# Altium PCB MM32_Class_board_V2.0.PcbDoc
Units mm, origin at the board's own origin, x right, y up, seen from the top; angles counter-clockwise.
Board outline 96.77 x 60.45 mm, 2 copper layers (Top Layer, Bottom Layer); 70 components, 62 nets, 279 pads, 171 vias.
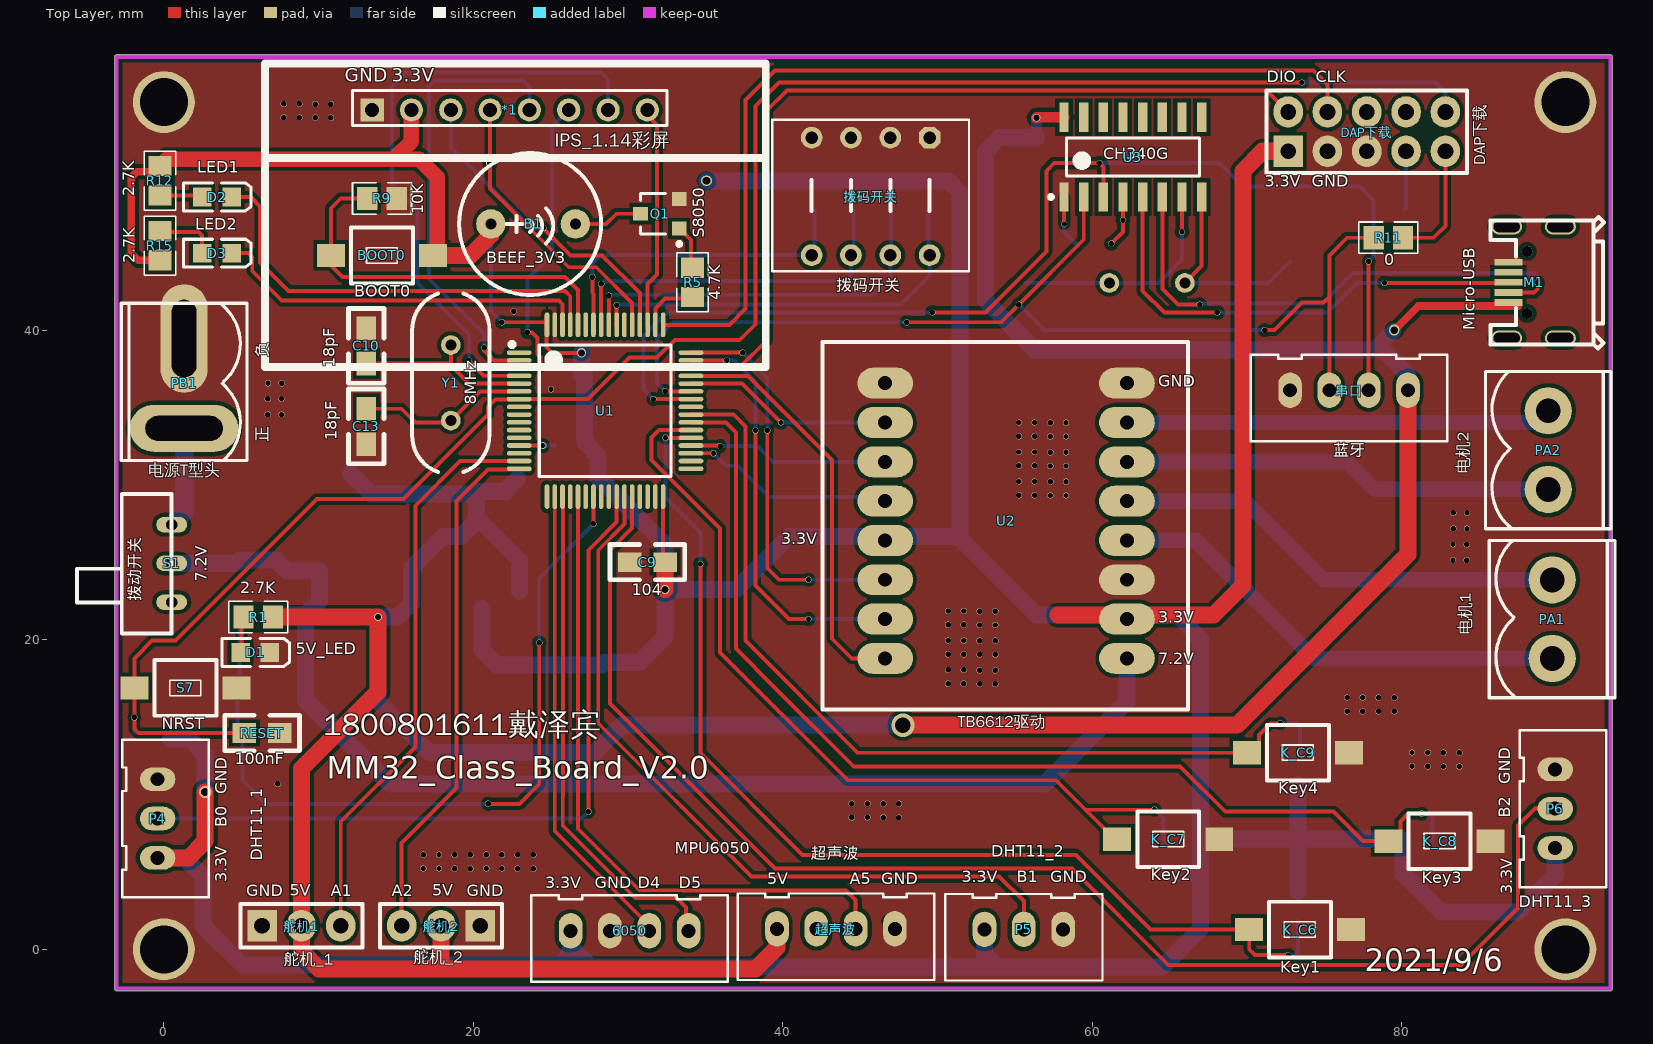
[diagram p0: Top Layer view]
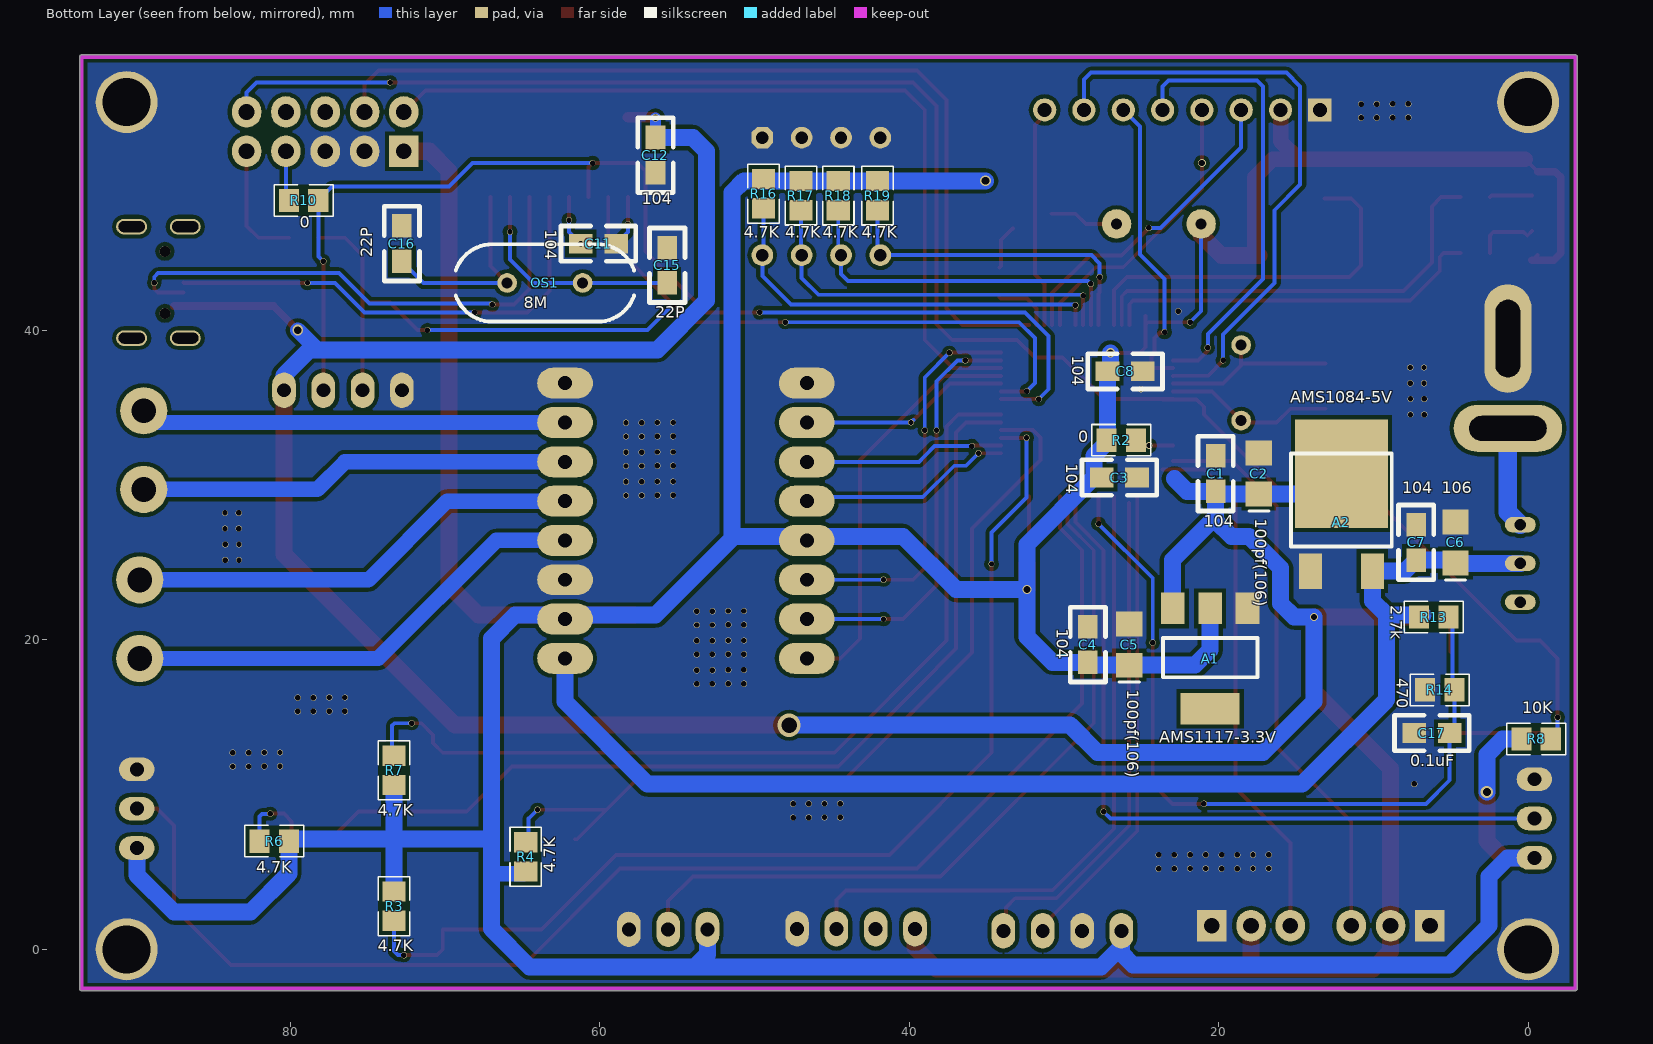
[diagram p1: Bottom Layer view, seen from below]

## Layer stack, top to bottom
Top Solder: solder mask 0.0102, Solder Resist, Dk 3.5
Top Layer: signal copper 0.0356
Dielectric1: dielectric 0.32, FR-4, Dk 4.8
Bottom Layer: signal copper 0.0356
Bottom Solder: solder mask 0.0102, Solder Resist, Dk 3.5

## Board outline
-3.175,-2.54 ccw(c-3.048,-2.54) -3.048,-2.667 93.472,-2.667 ccw(c93.472,-2.54) 93.599,-2.54 93.599,57.658 ccw(c93.472,57.658) 93.472,57.785 -3.048,57.785 ccw(c-3.048,57.658) -3.175,57.658

## Design rules (kind name [scope] priority, off if disabled: settings)
Clearance [All] p1: gap=0.254 ignorepadtopadclearanceinfootprint=FALSE except(0: Arc-Hole Track-Hole SMDPad-Hole THPad-Hole Via-Hole Fill-Hole Poly-Hole Region-Hole Text-Hole)
FabricationTestpoint [(IsPad And (OnTopLayer Or OnBottomLayer))] p1: side=3 testpointundercomponent=TRUE minsize=1.016 maxsize=2.54 preferedsize=1.524 minholesize=0 maxholesize=1.016 preferedholesize=0.813 testpointgrid=0.025 allowsidetop=TRUE allowsidebottom=TRUE usegrid=TRUE gridtolerance=0
PlaneClearance [All] p1: clearance=0.25
PolygonConnect [All] p1: connectstyle=Direct reliefconductorwidth=0.254 reliefentries=4 polygonreliefangle="90 Angle" airgapwidth=0.254
RoutingVias [All] p1: holewidth=0.4 width=0.45 viastyle="Through Hole" minholewidth=0.35 minwidth=0.4 maxholewidth=0.45 maxwidth=0.6
SolderMaskExpansion [All] p1: expansion=0.102
Width [All] p1: maxlimit=0.254 minlimit=0.254 preferedwidth=0.254 minimp=50.000000 maximp=50.000000 favimp=50.000000
28 further rules are at their usual default settings.

## Components (designator, comment, footprint, x,y, rotation, side; value= is the part's Value field where it differs from the comment)
6050 "MPU6050" 四脚插座 29.972,-0.508 r0 top
*1 "IPS_1.14彩屏" 1.14_IPS 22.042,44.929 r0 top locked
A1 "AMS1117-3.3V" AMS1117 20.574,18.923 r180 bottom
A2 "AMS1084-5V" AMS1086 12.065,26.035 r180 bottom
B1 "BEEF_3V3" BEEF_3V3 28.829,61.849 r0 top
BOOT0 "BOOT0" 贴片按键 14.097,44.831 r0 top
C1 "104" 电容0805 20.193,31.877 r270 bottom
C2 "100pf(106)" 钽电容1206 17.399,30.734 r90 bottom value=100PF(106)
C3 "104" 电容0805 25.273,30.48 r0 bottom
C4 "104" 电容0805 28.448,20.828 r270 bottom
C5 "100pf(106)" 钽电容1206 25.781,19.685 r90 bottom value=c
C6 "106" 钽电容1206 4.699,26.289 r90 bottom
C7 "104" 电容0805 7.239,27.432 r270 bottom
C8 "104" 电容0805 24.892,37.338 r0 bottom
C9 "104" 电容0805 30.099,25.019 r0 top
C10 "18pF" 电容0805 13.081,37.846 r90 top
C11 "104" 电容0805 58.928,45.593 r0 bottom
C12 "104" 电容0805 56.388,50.165 r90 bottom
C13 "18pF" 电容0805 13.081,32.639 r90 top
C15 "22P" 电容0805 55.626,45.339 r270 bottom
C16 "22P" 电容0805 72.771,46.736 r270 bottom
C17 "0.1uF" 电容0805 5.08,13.97 r0 bottom
D1 "5V_LED" LED贴片 5.908,19.177 r0 top
D2 "LED1" LED贴片 3.429,48.606 r0 top
D3 "LED2" LED贴片 3.429,44.977 r0 top
DAP下载 "DAP下载" P5X2 76.073,51.689 r90 top
K_C6 "Key1" 贴片按键 73.406,1.27 r0 top
K_C7 "Key2" 贴片按键 64.897,7.112 r0 top
K_C8 "Key3" 贴片按键 82.423,6.985 r0 top
K_C9 "Key4" 贴片按键 73.279,12.7 r0 top
M1 "Micro-USB" Micro-USB 85.598,38.989 r0 top
OS1 "8M" 晶振 61.087,43.053 r0 bottom
P4 "DHT11_1" 三脚插座 1.524,8.509 r90 top
P5 "DHT11_2" 三脚插座 55.626,-0.635 r0 top
P6 "DHT11_3" 三脚插座 91.821,9.144 r90 top
PA1 "电机1" 电源插座1 89.789,21.336 r180 top
PA2 "电机2" 电源插座1 89.535,32.258 r180 top
PB1 "电源T型头" 电源插座2 3.81,36.576 r90 top
Q1 "S8050" NPN8050 32.258,47.498 r270 top
R1 "2.7K" 电阻0805 6.096,21.463 r180 top
R2 "0" 电阻0805 26.289,32.893 r180 bottom
R3 "4.7K" 电阻0805 73.279,2.794 r270 bottom
R4 "4.7K" 电阻0805 64.77,5.969 r90 bottom
R5 "4.7K" 电阻0805 34.163,43.089 r90 top
R6 "4.7K" 电阻0805 81.026,6.985 r0 bottom
R7 "4.7K" 电阻0805 73.279,11.557 r90 bottom
R8 "10K" 电阻0805 -0.508,13.589 r0 bottom
R9 "10K" 电阻0805 14.097,48.514 r180 top
R10 "0" 电阻0805 79.121,48.387 r0 bottom
R11 "0" 电阻0805 79.121,45.974 r180 top
R12 "2.7K" 电阻0805 -0.254,49.652 r270 top
R13 "2.7k" 电阻0805 6.096,21.463 r180 bottom value=1K
R14 "470" 电阻0805 5.715,16.764 r0 bottom value=2K
R15 "2.7K" 电阻0805 -0.254,45.466 r90 top
R16 "4.7K" 电阻0805 49.403,48.829 r270 bottom
R17 "4.7K" 电阻0805 46.99,48.702 r270 bottom
R18 "4.7K" 电阻0805 44.577,48.702 r270 bottom
R19 "4.7K" 电阻0805 42.037,48.702 r270 bottom
RESET "100nF" 电容0805 7.493,13.97 r180 top
S1 "拨动开关" 拨动开关直插 0.508,27.432 r180 top
S7 "NRST" 贴片按键 1.397,16.891 r180 top
U1 "MM32SPIN27PS芯片" LQFP-64_L10.0-W10.0-P0.50-LS12.0-BL 28.448,34.798 r270 top
U2 "TB6612驱动" 6612pcb 62.23,18.796 r180 top locked
U3 "CH340G" CH340G 62.611,51.181 r90 top
Y1 "8MHz" 晶振 18.542,34.163 r90 top
串口 "蓝牙" 四脚插座 76.454,34.417 r0 top
拨码开关 "拨码开关" 拨码开关 45.72,48.702 r180 top
舵机1 "舵机_1" P3 9.525,2.286 r90 top
舵机2 "舵机_2" P3 17.272,0.762 r270 top
超声波 "超声波" 四脚插座 43.307,-0.381 r0 top

## Footprints (in the part's own frame and the unit in brackets; to place one, negate y for a bottom-side part, rotate by r counter-clockwise, add the part's x,y. Pads: shape width x height; smd on the part's side, far side on the other; paste and mask are expansions set on the pad)
1.14_IPS [mm]
  rect 1.5x1.5 hole 0.9: 1(-8.58,9.3)
  round 1.5 hole 0.9: 2(-6.04,9.3) 3(-3.5,9.3) 4(-0.96,9.3) 5(1.58,9.3) 6(4.12,9.3) 7(6.66,9.3) 8(9.2,9.3)
  silkscreen extent -15.52,-7.3 16.85,12.3
6612pcb [mm]
  oval 3.6x2 hole 0.9: 1(0,0) 2(0,-2.54) 3(0,-5.08) 4(0,-7.62) 5(0,-10.16) 6(0,-12.7) 7(0,-15.24) 8(0,-17.78) 9(15.621,0) 10(15.621,-2.54) 11(15.621,-5.08) 12(15.621,-7.62) 13(15.621,-10.16) 14(15.621,-12.7) 15(15.621,-15.24) 16(15.621,-17.78)
  silkscreen extent -3.94,-20.45 19.69,3.3
AMS1086 [mm]
  rect 1.5x2.3 smd: 1(-2,-1.6) 3(2,-1.6)
  rect 6x7 smd: 2(0,4.7)
  silkscreen extent -3.25,0 3.25,6
AMS1117 [mil]
  rect 60x80 smd: 1(96,122) 2(1,122) 3(-94,122)
  rect 150x80 smd: 4(1,-133)
  silkscreen extent -119,-53 121,47
BEEF_3V3 [mil]
  round 75 hole 28: 1(-303.03,-590) 2(-88.03,-590)
  silkscreen extent -384,-770 -22,-410
CH340G [mm] "SOIC, 16-Leads, Body 8.6x4.0mm (max), Pitch 1.27mm, IPC Medium Density"
  rect 1.9x0.6 smd: 1(-2.575,4.445) 2(-2.575,3.175) 3(-2.575,1.905) 4(-2.575,0.635) 5(-2.575,-0.635) 6(-2.575,-1.905) 7(-2.575,-3.175) 8(-2.575,-4.445) 9(2.575,-4.445) 10(2.575,-3.175) 11(2.575,-1.905) 12(2.575,-0.635) 13(2.575,0.635) 14(2.575,1.905) 15(2.575,3.175) 16(2.575,4.445)
  silkscreen extent -2.7,-4.3 1.22,5.42, body extent -1.98,-4.28 1.97,4.28, height 1.7
LED贴片 [mm] "SMT LED; 2 Flat Leads"
  rect 1.2x1.2 smd: 1(-0.95,0) 2(0.95,0)
  silkscreen extent -2.15,-0.9 2.2,0.9
LQFP-64_L10.0-W10.0-P0.50-LS12.0-BL [mm]
  oval 0.3x1.6 smd: 1(-3.75,-5.49) 2(-3.25,-5.49) 3(-2.75,-5.49) 4(-2.25,-5.49) 5(-1.75,-5.49) 6(-1.25,-5.49) 7(-0.75,-5.49) 8(-0.25,-5.49) 9(0.25,-5.49) 10(0.75,-5.49) 11(1.25,-5.49) 12(1.75,-5.49) 13(2.25,-5.49) 14(2.75,-5.49) 15(3.25,-5.49) 16(3.75,-5.49) 33(3.75,5.61) 34(3.25,5.61) 35(2.75,5.61) 36(2.25,5.61) 37(1.75,5.61) 38(1.25,5.61) 39(0.75,5.61) 40(0.25,5.61) 41(-0.25,5.61) 42(-0.75,5.61) 43(-1.25,5.61) 44(-1.75,5.61) 45(-2.25,5.61) 46(-2.75,5.61) 47(-3.25,5.61) 48(-3.75,5.61)
  oval 1.6x0.3 smd: 17(5.55,-3.69) 18(5.55,-3.19) 19(5.55,-2.69) 20(5.55,-2.19) 21(5.55,-1.69) 22(5.55,-1.19) 23(5.55,-0.69) 24(5.55,-0.19) 25(5.55,0.31) 26(5.55,0.81) 27(5.55,1.31) 28(5.55,1.81) 29(5.55,2.31) 30(5.55,2.81) 31(5.55,3.31) 32(5.55,3.81) 49(-5.55,3.81) 50(-5.55,3.31) 51(-5.55,2.81) 52(-5.55,2.31) 53(-5.55,1.81) 54(-5.55,1.31) 55(-5.55,0.81) 56(-5.55,0.31) 57(-5.55,-0.19) 58(-5.55,-0.69) 59(-5.55,-1.19) 60(-5.55,-1.69) 61(-5.55,-2.19) 62(-5.55,-2.69) 63(-5.55,-3.19) 64(-5.55,-3.69)
  silkscreen extent -4.43,-6.1 4.25,4.31
Micro-USB [mm]
  rect 1.8x0.43 smd: 1(1.274,2.8) 2(1.274,3.45) 3(1.274,4.1) 4(1.274,4.75) 5(1.274,5.4)
  oval 1.999x1 hole 0.7 slot 1.7 at 0 deg: 6(1.165,7.699) 7(4.635,7.7) 8(1.165,0.501) 9(4.635,0.5)
  round 0.7 hole 0.7 unplated: ""(2.485,2.1) ""(2.485,6.1)
  silkscreen extent 0.13,-0.18 7.45,8.32
NPN8050 [mm]
  rect 0.9x0.95 smd: 1(-0.978,1.038) 2(0.922,1.038) 3(-0.028,-1.462)
  silkscreen extent -1.33,-1.46 2.05,1.16
P3 [mil]
  rect 80x75 hole 40: 1(-30,125)
  oval 80x75 hole 40: 2(-30,25) 3(-30,-75)
  silkscreen extent -85,-130 25,180
P5X2 [mil]
  rect 80x75 hole 40: 1(-5,135)
  oval 80x75 hole 40: 2(95,135) 3(-5,35) 4(95,35) 5(-5,-65) 6(95,-65) 7(-5,-165) 8(95,-165) 9(-5,-265) 10(95,-265)
  silkscreen extent -60,-320 150,190
三脚插座 [mil]
  oval 60x90 hole 35.43: 1(-102.39,75.68) 2(-2.39,75.68) 3(97.61,75.68)
  silkscreen extent -202,-54 198,166
四脚插座 [mil]
  oval 60x90 hole 35.43: 1(-145.17,67.07) 2(-45.17,67.07) 3(54.83,67.07) 4(154.83,67.07)
  silkscreen extent -245,-63 255,157
拨动开关直插 [mm]
  oval 2x1 hole 0.75: 1(0,0) 2(0,2.5) 3(0,5)
  silkscreen extent 0,-1.97 6.12,7.03
拨码开关 [mm]
  round 1.4 hole 0.8: 1(-3.759,3.852) 3(-1.219,3.852) 4(-1.219,-3.738) 5(1.321,3.852) 6(1.321,-3.738) 7(3.861,3.852) 8(3.861,-3.738)
  oct 1.4x1.4 hole 0.8: 2(-3.759,-3.738)
  silkscreen extent -6.3,-4.9 6.4,4.9
晶振 [mil]
  round 50 hole 28: 1(0,0) 2(192.13,0)
  silkscreen extent -131,-98 323,98
电容0805 [mil]
  rect 60x50 smd: 1(0,-0.06) 2(90,-0.06)
  silkscreen extent -50,-45 140,45
电源插座1 [mil]
  round 120 hole 62.99: 1(3.41,100.29) 2(3.41,-99.71)
  silkscreen extent -157,-200 163,200
电源插座2 [mm]
  oval 3.048x7 hole 1.6 slot 5 at 90 deg: 1(-2.917,2.499)
  oval 7x3.048 hole 1.6 slot 5 at 0 deg: 2(2.883,2.499)
  silkscreen extent -5,-1.56 5.16,6.56
电阻0805 [mm] "贴片带丝印"
  rect 1.3x1.5 smd: 1(-0.95,0) 2(0.95,0)
  silkscreen extent -1.91,-1.02 1.91,1.02, body extent -1.14,-0.51 1.14,0.51, height 1
贴片按键 [mm]
  rect 1.8x1.5 smd: 1(-3.3,0) 2(3.3,0)
  silkscreen extent -2,-1.8 2,1.8, body extent -2,-1.8 2,1.8, height 1.7
钽电容1206 [mm] "Chip Capacitor; Body 2.0 x 1.2 mm (LxW typ)"
  rect 1.6x1.7 smd: 1(-1.325,0) 2(1.325,0)
  silkscreen extent -2.42,-0.65 -2.42,0.65

## Part data
6050 超声波: library part P4, "四脚插座"
A1: library part AMS1117
A2: library part AMS1084, "5.0V"
BOOT0 K_C6 K_C7 K_C8 K_C9 S7: library part Key, "按键"
C1 C3 C4 C7 C8 C9 C10 C11 C12 C13 C15 C16 C17 RESET: library part C电容, "贴片电容"
C2 C5 C6: library part C极性电容, "钽电容", LatestRevisionDate=17-Jul-2002, LatestRevisionNote="Re-released for DXP Platform.", PackageReference=POLAR0.8, Published=8-Jun-2000, Publisher="Altium Limited"
D1 D2 D3: library part LED, "Typical RED, GREEN, YELLOW, AMBER GaAs LED", PackageDocument=Feb-2002, LatestRevisionDate=17-Jul-2002, LatestRevisionNote="Re-released for DXP Platform.", PackageReference=3.2X1.6X1.1, Published=8-Jun-2000, Publisher="Altium Limited"
DAP下载: library part P5X2
M1: "链接：https://item.taobao.com/item.htm?_u=338ue8lj7060&id=619776041547"
OS1: library part 晶振, vaule=8M
P4 P5 P6: library part P3, "三脚插座"
PA1 PA2: library part POWERA, "接线端子"
PB1: library part T型头, "电源插座B"
Q1: "NPN三极管", PackageDocument=Sep-1998, Code_JEDEC=TO-92A, ComponentLink1Description="Manufacturer Link", ComponentLink1URL=http://www.fairchildsemi.com/, ComponentLink2Description=Datasheet, ComponentLink2URL=http://www.fairchildsemi.com/ds/2N%2F2N3904.pdf, DatasheetDocument=1997, LatestRevisionDate=15-Jan-2003, LatestRevisionNote="PCB Footprint 'BCY-W3/D4.7' replaced", PackageReference=TO-92A, Published=8-Jun-2000, Publisher="Altium Limited"
R1 R3 R4 R5 R6 R7 R16 R17 R18 R19: library part Res1, "贴片电阻", LatestRevisionDate=17-Jul-2002, LatestRevisionNote="Re-released for DXP Platform.", PackageReference=AXIAL-0.4, Published=8-Jun-2000, Publisher="Altium Limited"
R2 R8 R9 R10 R11 R12 R13 R15: library part Res, "贴片电阻", LatestRevisionDate=17-Jul-2002, LatestRevisionNote="Re-released for DXP Platform.", PackageReference=AXIAL-0.4, Published=8-Jun-2000, Publisher="Altium Limited"
R14: library part Res, LatestRevisionDate=17-Jul-2002, LatestRevisionNote="Re-released for DXP Platform.", PackageReference=AXIAL-0.4, Published=8-Jun-2000, Publisher="Altium Limited"
U1: library part MM32SPIN27PS, "MM32SPIN27PS芯片封装"
U2: library part TB6612, "小型电机驱动"
U3: "USB2UART"
Y1: library part XTAL, "晶振", LatestRevisionDate=17-Jul-2002, LatestRevisionNote="Re-released for DXP Platform.", Published=8-Jun-2000, Publisher="Altium Limited"
串口: library part P4
舵机1 舵机2: library part P3

## Free pads (board coordinates)
  round 4 hole 3.1: 2(0,0) 2(0,54.737) 2(90.551,0) 2(90.551,54.737)

## Via types
v1: diameter 0.4, hole 0.35, Top Layer to Bottom Layer, tented both sides, 161 vias
v2: diameter 0.5, hole 0.411, Top Layer to Bottom Layer, tented both sides, 2 vias
v3: diameter 0.7, hole 0.5, Top Layer to Bottom Layer, tented both sides, 2 vias
v4: diameter 0.6, hole 0.45, Top Layer to Bottom Layer, tented both sides, 2 vias
v5: diameter 1.5, hole 1, Top Layer to Bottom Layer, tented both sides, 1 vias
v6: diameter 0.45, hole 0.35, Top Layer to Bottom Layer, tented both sides, 1 vias
v7: diameter 0.8, hole 0.5, Top Layer to Bottom Layer, tented both sides, 1 vias
v8: diameter 0.5, hole 0.4, Top Layer to Bottom Layer, tented both sides, 1 vias

## Nets (pads, with @x,y where several pads share a name; then routed paths per layer and width w, separated by ;. In a path a pad name is that pad's centre, name@x,y a point inside that pad or via, vN(x,y) a via of type N, cw(c..) or ccw(c..) an arc to the next point about the centre after c; other vN are vias at no path point)
3.3V: 6050.1 *1.2 A1.2 B1.1 BOOT0.2 C3.2 C4.2 C5.1 C8.2 C9.2 DAP下载.1 P4.1 P5.1 P6.1 R2.1 R3.1 R4.1 R6.1 R7.1 R8.2 R12.1 R15.1 R16.1 R17.1 R18.1 R19.1 U1.32 U1.64 U2.2 U2.12 | length 364.7
  Top Layer w0.254: R12.1@-0.611,50.245 R12.1 R12.1@0.198,51.054 ; R15.1@-0.588,44.85 R15.1 ; v1(21.844,40.513) 24.583,40.513 U1.64@24.727,40.369 ; U1.64@24.727,40.348 24.727,38.9 25.085,38.542 ; U1.64@24.737,40.369 U1.64@24.737,40.922 ; C9.2@32.258,25.017 U1.32
  Top Layer w0.258: 25.085,38.542 v4(26.985,38.542)
  Top Layer w0.5: R12.1@-0.611,50.245 -1.754,50.245 -2.108,49.891 -2.108,44.977 -1.647,44.516 R15.1
  Top Layer w1: R12.1@0.198,51.054 14.666,51.054 ; *1.2 16.002,52.197 14.859,51.054 16.49,51.054 17.653,49.891 BOOT0.2@17.653,45.087
  Top Layer w1.1: P4.1 1.59,5.908 2.667,6.985 v7(2.667,10.16) ; BOOT0.2 19.812,44.831 21.132,46.151 B1.1 ; v4(32.385,23.241) C9.2@32.385,24.892 ; 57.785,21.59 67.818,21.59 69.723,23.495 69.723,50.292 70.993,51.562 DAP下载.1
  Bottom Layer w0.254: B1.1 21.132,41.225 v1(21.844,40.513) ; R4.1 R4.1@64.902,4.887
  Bottom Layer w1: R4.1@64.902,4.887 66.99,4.887
  Bottom Layer w1.1: P4.1 1.331,5.908 2.54,4.699 2.54,1.524 5.08,-1.016 25.527,-1.016 26.285,-0.258 6050.1@26.285,0.173 ; R8.2 1.651,13.589 2.667,12.573 v7(2.667,10.16) ; A1.2 20.549,19.329 21.518,18.36 C5.1 C4.2@28.268,18.36 ; 6050.1 6050.1@26.285,0.173 ; C8.2@26.985,37.147 v4(26.985,38.542) ; C8.2 27.178,32.954 R2.1 27.239,32.703 28.065,31.877 28.065,30.482 32.385,26.162 v4(32.385,23.241) ; C4.2 30.734,18.542 32.385,20.193 v4(32.385,23.241) ; v3(35.057,49.652) R19.1 R18.1 R17.1 50.678,49.652 51.435,48.895 51.435,26.67 51.308,26.67 ; P5.1 53.025,-0.32 53.848,-1.143 ; R3.1 73.279,7.112 ; R7.1 73.279,7.112 ; R6.1@79.949,7.112 73.279,7.112 ; R6.1 80.076,4.887 82.55,2.413 87.503,2.413 89.899,4.809 P6.1 ; 6050.1@26.285,0.173 27.601,-1.143 53.848,-1.143 ; v4(32.385,23.241) 36.957,23.241 40.386,26.67 51.308,26.67 ; 51.308,26.67 56.388,21.59 65.466,21.59 66.99,20.066 66.99,7.112 ; 53.848,-1.143 64.516,-1.143 66.99,1.331 66.99,4.887 66.99,7.112 ; 66.99,7.112 73.279,7.112
5V: A1.3 A2.2 C1.2 C2.1 C12.2 M1.1 R1.1 U3.16 串口.4 舵机1.2 舵机2.2 超声波.1 | length 242.3
  Top Layer w0.5: v3(79.502,40.005) 81.056,41.559 87.503,41.559
  Top Layer w0.7: v2(56.386,53.719) 56.423,53.756 U3.16
  Top Layer w1.1: R1.1@6.919,21.463 v8(13.843,21.463) 13.843,16.637 8.894,11.688 8.894,1.524 8.894,-0.131 10.033,-1.27 17.907,-1.27 38.227,-1.27 39.62,0.123 超声波.1 ; 17.907,-1.143 舵机2.2@17.907,1.397 ; v5(47.752,14.478) 69.342,14.478 80.387,25.523 串口.4
  Bottom Layer w0.7: C12.2 v2(56.386,53.719)
  Bottom Layer w1: 78.232,38.735 v3(79.502,40.005) ; 串口.4 串口.4@80.387,37.088
  Bottom Layer w1.1: A2.2 13.391,29.409 C2.1 20.013,29.409 C1.2 ; 22.86,30.404 22.047,29.591 C1.2 ; 22.987,23.165 22.987,25.146 20.195,27.938 ; v5(47.752,14.478) 29.591,14.478 27.828,12.715 17.133,12.715 13.843,16.005 v8(13.843,21.463) 15.116,21.463 16.002,22.349 16.002,24.638 18.034,26.67 19.177,26.67 20.195,27.688 20.195,27.938 ; C12.2 53.975,52.451 53.086,51.562 53.086,41.91 56.261,38.735 78.232,38.735 78.74,38.735 串口.4@80.387,37.088 ; 20.195,27.938 C1.2
7.2V: A2.3 C6.1 C7.2 R13.1 S1.2 U2.1 | length 81.3
  Bottom Layer w1.1: S1.2 4.667,24.932 C6.1 4.881,25.146 C7.2 7.952,24.435 A2.3 10.065,22.511 9.144,21.59 ; R13.1@6.792,21.59 6.919,21.59 9.144,21.59 ; U2.1 62.23,16.002 56.896,10.668 14.605,10.668 9.144,16.129 9.144,21.59
ADC_A7: C17.1 R13.2 R14.1 U1.23 | length 51.2
  Top Layer w0.254: v1(20.955,9.398) 22.987,9.398 24.257,10.668 v1(24.257,19.812) ; v1(27.758,27.487) U1.23
  Bottom Layer w0.254: R13.2@4.892,21.59 4.892,16.891 R14.1 4.765,14.287 C17.1 5.08,10.922 6.604,9.398 v1(20.955,9.398) ; v1(24.257,19.812) 24.257,23.986 v1(27.758,27.487)
AIN1_D2: U1.47 U2.10 | length 27.2
  Top Layer w0.254: U1.47 v1(36.374,38.048) ; v1(38.227,33.528) 38.227,23.495 40.386,21.336 v1(41.656,21.336)
  Bottom Layer w0.254: v1(36.374,38.048) 36.882,38.048 38.227,36.703 v1(38.227,33.528) ; v1(41.656,21.336) U2.10
AIN2_D3: U1.48 U2.11 | length 25.8
  Top Layer w0.254: U1.48 v1(37.398,38.548) ; v1(38.989,33.528) 38.989,24.638 39.751,23.876 v1(41.656,23.876)
  Bottom Layer w0.254: v1(37.398,38.548) 38.989,36.957 v1(38.989,33.528) ; v1(41.656,23.876) U2.11
BEEF_A15: R5.1 U1.50 | length 3.8
  Top Layer w0.254: U1.50 31.758,41.416 32.379,42.037 34.061,42.037 R5.1
BIN1_B14: U1.35 U2.13 | length 14.1
  Top Layer w0.254: U1.35 v1(35.516,32.048)
  Bottom Layer w0.254: v1(35.516,32.048) 36.322,31.242 37.084,31.242 39.116,29.21 41.91,29.21 ; 42.164,29.21 41.91,29.21 ; U2.13 46.355,29.21 41.91,29.21
BIN2_B15: U1.36 U2.14 | length 13.2
  Top Layer w0.254: U1.36 35.905,32.548 v1(35.941,32.512)
  Bottom Layer w0.254: v1(35.941,32.512) 38.354,32.512 38.989,31.877 ; 39.116,31.75 38.989,31.877 ; U2.14 39.37,31.496 38.989,31.877
BM_B3: R16.2 U1.55 拨码开关.1 | length 26.6
  Top Layer w0.254: U1.55 v1(29.258,41.608)
  Bottom Layer w0.254: v1@29.21,41.656 47.625,41.656 49.479,43.51 拨码开关.1 ; 拨码开关.1@49.403,44.926 R16.2
BM_B4: R17.2 U1.56 拨码开关.3 | length 24.8
  Top Layer w0.254: U1.56 v1(28.758,42.235)
  Bottom Layer w0.254: v1@28.758,42.291 45.847,42.291 46.939,43.383 拨码开关.3 ; 拨码开关.3@46.99,44.901 R17.2
BM_B5: R18.2 U1.57 拨码开关.5 | length 22.9
  Top Layer w0.254: U1.57 v1(28.258,42.99)
  Bottom Layer w0.254: v1@28.316,43.048 28.448,43.18 43.942,43.18 44.399,43.637 拨码开关.5 ; 拨码开关.5@44.577,45.028 R18.2
BM_B6: R19.2 U1.58 拨码开关.7 | length 21.1
  Top Layer w0.254: v1(27.686,43.434) 27.686,42.418 27.758,42.346 U1.58
  Bottom Layer w0.254: v1(27.686,43.434) 27.686,44.323 28.213,44.85 拨码开关.7 ; 拨码开关.7@42.037,45.028 R19.2
BOOT0: BOOT0.1 R9.2 U1.60 | length 25.5
  Top Layer w0.254: R9.2 11.43,48.514 10.797,47.881 BOOT0.1 10.797,44.194 11.557,43.434 25.4,43.434 ; 25.781,43.434 25.4,43.434 ; U1.60 26.758,42.584 25.908,43.434 25.4,43.434
C10: *1.8 U1.51 | length 14.4
  Top Layer w0.254: *1.8 31.242,53.9 31.877,53.265 31.877,43.609 31.258,42.99 U1.51
C11: *1.3 U1.52 | length 20.6
  Top Layer w0.254: v1(24.511,46.609) 26.289,44.831 28.321,44.831 30.758,42.394 U1.52
  Bottom Layer w0.254: *1.3 18.542,51.816 23.749,46.609 v1(24.511,46.609)
C12: *1.4 U1.53 | length 18.7
  Top Layer w0.254: *1.4 v2(21.082,50.8) 21.082,49.149 26.162,44.069 27.94,44.069 30.258,41.751 U1.53
C13: *1.5 U1.2 | length 29.4
  Top Layer w0.254: v1(20.701,38.862) 20.701,38.675 21.328,38.048 U1.2
  Bottom Layer w0.254: v1(20.701,38.862) 20.701,39.751 17.145,43.307 17.145,55.753 17.526,56.134 23.241,56.134 23.622,55.753 *1.5
C14: *1.6 U1.3 | length 19.6
  Top Layer w0.254: U1.3 24.191,37.548 24.34,37.697 24.34,38.271 24.139,38.472 24.139,39.488 23.777,39.85 23.523,39.85 v1(23.495,39.878)
  Bottom Layer w0.254: v1(23.495,39.878) 23.495,43.307 25.092,44.904 25.092,53.159 *1.6
C15: *1.7 U1.4 | length 40.1
  Top Layer w0.254: v1(19.713,38.048) 20.658,37.078 U1.4
  Bottom Layer w0.254: v1(19.713,38.048) 19.713,39.723 16.383,43.053 16.383,47.752 14.732,49.403 14.732,55.753 15.621,56.642 28.25,56.642 28.702,56.19 *1.7 *1.7@28.587,54.344
CH340_D+: M1.3 U3.5 | length 31.1
  Top Layer w0.254: U3.5 63.246,42.545 64.643,41.148 v1(68.072,41.148) ; v1(78.867,43.053) 86.836,43.053 M1.3
  Bottom Layer w0.254: v1(68.072,41.148) 75.184,41.148 77.089,43.053 v1(78.867,43.053)
CH340_D-: M1.2 U3.6 | length 34.3
  Top Layer w0.254: U3.6 64.516,42.672 65.532,41.656 v1(66.929,41.656) ; M1.2 88.54,42.439 88.773,42.672 v1(88.773,43.053)
  Bottom Layer w0.254: v1(66.929,41.656) 67.002,41.729 74.876,41.729 76.835,43.688 88.519,43.688 88.773,43.434 v1(88.773,43.053)
CSB_OUT: U1.21 超声波.3 | length 43.2
  Top Layer w0.245: 26.758,10.414 26.758,7.786 30.734,3.81 33.528,3.81
  Top Layer w0.254: 26.758,10.414 U1.21 ; 33.528,3.81 44.069,3.81 44.7,3.179 超声波.3
DHT11_B0: P4.2 U1.26 | length 49.1
  Top Layer w0.254: v1(27.432,8.89) 27.432,25.781 29.258,27.607 U1.26
  Bottom Layer w0.245: 26.67,8.448 26.99,8.448 v1(27.432,8.89)
  Bottom Layer w0.254: P4.2 26.67,8.448
DHT11_B1: P5.2 U1.27 | length 49.4
  Top Layer w0.254: U1.27 29.758,27.726 29.758,27.472 28.067,25.781 28.067,25.146 28.067,14.605 37.973,4.699 53.975,4.699 55.565,3.109 P5.2
DHT11_B2: P6.2 U1.28 | length 90.1
  Top Layer w0.254: U1.28 30.258,27.21 28.829,25.781 28.829,15.875 39.497,5.207 58.674,5.207 64.897,-1.016 83.82,-1.016 87.503,2.667 87.503,6.985 ; 87.503,6.223 87.503,6.985 ; P6.2 88.585,9.083 87.503,8.001 87.503,6.985
DJ_PWM_A1: U1.15 舵机1.3 | length 37
  Top Layer w0.254: 舵机1.3 11.43,8.255 16.256,13.081 16.256,28.658 19.146,31.548 U1.15
DJ_PWM_A2: U1.16 舵机2.3 | length 34.4
  Top Layer w0.254: 舵机2.3 15.367,6.858 18.923,10.414 18.923,28.956 20.955,30.988 U1.16@23.622,30.988
GND: 6050.2 *1.1 A1.1 A2.1 C1.1 C2.2 C3.1 C4.1 C5.2 C6.2 C7.1 C8.1 C9.1 C10.2 C11.1 C12.1 C13.1 C15.1 C16.1 C17.2 D1.2 DAP下载.3 DAP下载.5 K_C6.2 K_C7.2 K_C8.2 K_C9.2 M1.5 P4.3 P5.3 P6.3 pad.2 PB1.2 Q1.1 R9.1 R14.2 RESET.1 S7.1 U1.31 U1.63 U2.3 U2.8 U2.16 U3.1 串口.1 拨码开关.2 拨码开关.4 拨码开关.6 拨码开关.8 舵机1.1 舵机2.1 超声波.4 | length 4
  Top Layer w0.254: 超声波.4@46.736,1.826 超声波.4 ; v1(58.166,46.863) U3.1
  Bottom Layer w0.254: v1(58.166,46.863) 58.166,46.357 C11.1
  other v1: 18.796,5.207 19.812,5.207 22.86,5.207 23.876,5.207 16.764,5.222 17.78,5.222 20.828,5.222 21.844,5.222 18.796,6.096 19.812,6.096 22.86,6.096 23.876,6.096 16.764,6.111 17.78,6.111 20.828,6.111 21.844,6.111 46.482,8.509 47.498,8.509 44.45,8.524 45.466,8.524 46.482,9.398 47.498,9.398 44.45,9.413 45.466,9.413 7.366,10.683 82.677,11.811 83.693,11.811 80.645,11.826 81.661,11.826 82.677,12.7 83.693,12.7 80.645,12.715 81.661,12.715 78.486,15.367 79.502,15.367 76.454,15.382 77.47,15.382 78.486,16.256 79.502,16.256 76.454,16.271 77.47,16.271 52.705,17.145 53.721,17.145 50.673,17.16 51.689,17.16 52.705,18.034 53.721,18.034 50.673,18.049 51.689,18.049 52.705,19.05 53.721,19.05 50.673,19.065 51.689,19.065 52.705,19.939 53.721,19.939 50.673,19.954 51.689,19.954 52.705,20.955 53.721,20.955 50.673,20.97 51.689,20.97 52.705,21.844 53.721,21.844 50.673,21.859 51.689,21.859 83.297,25.146 84.186,25.146 83.297,26.162 84.186,26.162 83.312,27.178 84.201,27.178 83.312,28.194 84.201,28.194 57.277,29.322 58.293,29.322 55.245,29.337 56.261,29.337 57.277,30.211 58.293,30.211 55.245,30.226 56.261,30.226 57.277,31.227 58.293,31.227 55.245,31.242 56.261,31.242 57.277,32.116 58.293,32.116 55.245,32.131 56.261,32.131 57.277,33.132 58.293,33.132 55.245,33.147 56.261,33.147 57.277,34.021 58.293,34.021 55.245,34.036 56.261,34.036 6.716,34.544 7.605,34.544 6.716,35.56 7.605,35.56 25.019,36.183 6.731,36.576 7.62,36.576 6.731,37.592 7.62,37.592 22.606,41.225 9.779,53.721 10.795,53.721 7.747,53.736 8.763,53.736 9.779,54.61 10.795,54.61 7.747,54.625 8.763,54.625
KEY0_C6: K_C6.1 R3.2 U1.37 | length 69.8
  Top Layer w0.254: v1(32.413,33.048) U1.37 ; v1(34.671,24.892) 34.671,12.7 41.275,6.096 58.928,6.096 63.754,1.27 K_C6.1 70.129,1.247 70.129,0 70.51,-0.381 v1(72.644,-0.381)
  Bottom Layer w0.254: v1(32.413,33.048) 32.413,29.182 34.671,26.924 v1(34.671,24.892) ; v1(72.644,-0.381) 73.025,-0.381 73.279,-0.127 R3.2
KEY1_C7: K_C7.1 R4.2 U1.38 | length 56
  Top Layer w0.254: U1.38 31.984,33.548 31.496,33.06 31.496,31.623 35.941,27.178 35.941,19.177 44.196,10.922 57.658,10.922 59.563,9.017 ; K_C7.1 61.468,7.112 59.563,9.017 ; v1(64.008,9.017) 59.563,9.017
  Bottom Layer w0.254: v1(64.008,9.017) 64.577,8.448 64.577,7.112 R4.2
KEY2_C8: K_C8.1 R6.2 U1.39 | length 70.5
  Top Layer w0.254: U1.39 36.31,34.048 36.957,33.401 36.957,19.431 39.497,16.891 ; 39.751,16.637 39.497,16.891 ; v1(81.28,8.763) 80.391,8.763 79.896,8.268 79.896,7.608 79.525,7.237 79.375,7.237 K_C8.1 77.47,6.985 75.565,8.89 68.58,8.89 65.659,11.811 44.577,11.811 39.497,16.891
  Bottom Layer w0.254: v1(81.28,8.763) 81.308,8.735 81.816,8.735 81.965,8.586 81.965,6.996 R6.2
KEY3_C9: K_C9.1 R7.2 U1.40 | length 59.7
  Top Layer w0.254: U1.40 36.826,34.548 37.592,33.782 37.592,19.939 44.831,12.7 K_C9.1 70.129,12.7 70.752,13.323 70.752,13.856 71.501,14.605 v1(72.136,14.605)
  Bottom Layer w0.254: v1(72.136,14.605) 73.257,14.605 73.406,14.456 73.406,12.634 R7.2
LED0_B8: D2.2 U1.61 | length 28.5
  Top Layer w0.254: D2.2 5.623,48.606 6.223,48.006 6.223,44.384 8.062,42.545 10.287,42.545 24.765,42.545 25.4,42.545 25.908,42.545 26.258,42.195 U1.61
LED1_B9: D3.2 U1.62 | length 24.6
  Top Layer w0.254: D3.2 5.461,44.977 5.715,44.723 5.715,43.815 7.62,41.91 25.527,41.91 25.758,41.679 U1.62
NetB1_2: B1.2 Q1.3 | length 4.5
  Top Layer w0.254: B1.2 28.575,46.863 29.238,47.526 Q1.3
NetC11_2: C11.2 U3.4 | length 5.2
  Top Layer w0.254: v1(61.214,45.593) 61.976,46.355 U3.4
  Bottom Layer w0.254: C11.2 61.976,46.357 v1(61.976,47.117)
NetC15_2: C15.2 OS1.1 U3.7 | length 14.8
  Top Layer w0.254: v1(65.786,46.355) U3.7
  Bottom Layer w0.254: C15.2 OS1.1 64.262,43.053 65.786,44.577 v1(65.786,46.355)
NetC16_2: C16.2 OS1.2 U3.8 | length 13.4
  Top Layer w0.254: OS1.2 67.056,44.142 U3.8
  Bottom Layer w0.254: OS1.2 71.376,43.053 C16.2
NetD1_1: D1.1 R1.2 | length 2.3
  Top Layer w0.254: D1.1 5.019,19.238 R1.2@5.019,21.463
NetD2_1: D2.1 R12.2 | length 2.8
  Top Layer w0.254: R12.2 2.383,48.702 D2.1
NetD3_1: D3.1 R15.2 | length 4.2
  Top Layer w0.254: R15.2 0.061,46.101 0.315,46.355 2.256,46.355 2.479,46.132 D3.1
NetDAP下载_7: DAP下载.7 R10.2 | length 3.8
  Bottom Layer w0.254: R10.2@80.137,47.813 80.264,47.94 DAP下载.7
NetDAP下载_9: DAP下载.9 R11.1 | length 7.9
  Top Layer w0.254: R11.1 82.042,45.974 82.804,46.736 DAP下载.9
NetPA1_1: PA1.1 U2.4 | length 30.6
  Bottom Layer w1: U2.4 66.675,26.416 74.302,18.789 PA1.1
NetPA1_2: PA1.2 U2.5 | length 29.6
  Bottom Layer w1: U2.5 69.85,28.956 74.937,23.869 PA1.2
NetPA2_1: PA2.1 U2.6 | length 28
  Bottom Layer w1: U2.6 76.454,31.496 78.239,29.711 PA2.1
NetPA2_2: PA2.2 U2.7 | length 27.5
  Bottom Layer w1: U2.7 88.694,34.036 PA2.2
NetQ1_2: Q1.2 R5.2 | length 2.9
  Top Layer w0.254: Q1.2 33.321,46.576 34.061,45.836 34.061,44.141 R5.2
NetR2_2: R2.2 U1.13 | length 2.3
  Top Layer w0.254: U1.13 v6(24.484,32.548)
  Bottom Layer w0.254: v6(24.484,32.548) 25.237,32.548 R2.2@25.273,32.512
NRST: DAP下载.10 R8.1 RESET.2 S7.2 U1.7 | length 123.6
  Top Layer w0.254: RESET.2 -1.653,13.972 -1.903,14.222 S7.2 -1.903,18.798 -0.762,19.939 0.762,19.939 9.906,29.083 15.494,29.083 20.955,34.544 20.955,35.052 21.431,35.528 U1.7@23.622,35.528 ; U1.7 27.42,35.548 30.099,38.227 31.877,38.227 33.02,39.37 37.211,39.37 38.227,40.386 38.227,54.483 39.751,56.007 v1(73.533,56.007)
  Bottom Layer w0.254: R8.1@-1.905,14.036 v1(-1.905,14.986) ; v1(73.533,56.007) 82.169,56.007 82.804,55.372 DAP下载.10
OSC_IN: C10.1 U1.5 Y1.2 | length 11.6
  Top Layer w0.254: C10.1 18.415,37.846 ; Y1.2 18.542,37.719 19.713,36.548 U1.5
OSC_OUT: C13.2 U1.6 Y1.1 | length 11.1
  Top Layer w0.254: C13.2 15.367,34.925 16.256,34.036 18.415,34.036 Y1.1 19.685,35.306 20.427,36.048 U1.6
PWM1_A12: U1.45 U2.9 | length 26.9
  Top Layer w0.254: U1.45@34.058,37.052 37.751,37.052 43.18,31.623 43.18,20.066 44.45,18.796 U2.9
PWM2_A11: U1.44 U2.15 | length 14.3
  Top Layer w0.254: U1.44 36.294,36.548 37.366,36.548 v1(39.878,34.036)
  Bottom Layer w0.254: 39.722,34.192 v1(39.878,34.036) 41.656,34.036 ; 42.164,34.036 41.656,34.036 ; U2.15 41.656,34.036
RXD_A9: R10.1 U1.42 U3.3 串口.3 | length 77.3
  Top Layer w0.254: v1(31.623,35.548) U1.42 ; v1(49.657,41.148) 53.086,41.148 57.023,45.085 57.023,50.292 57.531,50.8 v1(60.452,50.8) 60.706,50.546 U3.3 ; 串口.3 77.847,44.446 v1(77.851,44.45)
  Bottom Layer w0.254: v1(31.623,35.548) 30.988,36.183 30.988,39.624 32.512,41.148 v1(49.657,41.148) ; v1(60.452,50.8) 68.199,50.8 69.723,49.276 77.282,49.276 R10.1 78.171,44.77 v1(77.851,44.45)
SCL_D4: 6050.3 U1.18 | length 30.6
  Top Layer w0.254: U1.18 25.258,7.635 31.365,1.528 6050.3
SDA_D5: 6050.4 U1.19 | length 33.1
  Top Layer w0.245: 25.781,9.906 25.781,8.001 30.48,3.302 33.147,3.302 33.743,2.706 33.743,1.357 6050.4
  Top Layer w0.254: 25.781,9.906 U1.19@25.781,28.829 ; 6050.4 6050.4@33.905,1.782
SWCLK: DAP下载.4 U1.49 | length 59.8
  Top Layer w0.254: U1.49 36.538,40.348 37.592,41.402 37.592,54.864 39.497,56.769 74.295,56.769 75.184,55.88 DAP下载.4
SWDIO: DAP下载.2 U1.46 | length 56.2
  Top Layer w0.254: U1.46 37.167,37.548 38.989,39.37 38.989,54.229 40.259,55.499 70.358,55.499 ; 70.612,55.499 70.358,55.499 ; DAP下载.2@72.009,54.102 DAP下载.2 71.247,55.499 70.358,55.499
TXD_A10: R11.2 U1.43 U3.2 串口.2 | length 71.9
  Top Layer w0.254: v1@32.405,36.048 U1.43 ; v1(48.006,40.513) 54.102,40.513 v1(55.245,41.656) 59.436,45.847 U3.2 ; v1(71.12,40.005) 71.755,40.005 73.533,41.783 74.93,41.783 75.307,42.16 ; 串口.2 75.307,42.16 ; R11.2 76.454,45.974 75.307,44.827 75.307,42.16
  Bottom Layer w0.254: v1(32.385,36.068) 31.877,36.576 31.877,39.497 32.893,40.513 v1(48.006,40.513) ; v1(55.245,41.656) 56.896,40.005 v1(71.12,40.005)
VBAT: PB1.1 S1.1 | length 6.6
  Bottom Layer w1.2: S1.1 1.311,28.235 PB1.1
pads on no net: A1.4 DAP下载.6 DAP下载.8 M1. M1.4 M1.6 M1.7 M1.8 M1.9 S1.3 U1.1 U1.8 U1.9 U1.10 U1.11 U1.12 U1.14 U1.17 U1.20 U1.22 U1.24 U1.25 U1.29 U1.30 U1.33 U1.34 U1.41 U1.54 U1.59 U3.9 U3.10 U3.11 U3.12 U3.13 U3.14 U3.15 超声波.2

## Polygon pours and split planes (outlines as drawn)
GND on Bottom Layer "Bottom Layer-GND" (solid, pour order 92): -3.048,-2.54 93.472,-2.54 93.472,57.658 -3.048,57.658
5V on Bottom Layer "Bottom Layer-5V" (solid, pour order 64): 12.319,22.349
GND on Bottom Layer "Bottom Layer-GND 1" (solid, pour order 32): 200.279,39.624
GND on Top Layer "Top Layer-GND" (solid, pour order 90): 93.472,-2.54 93.472,57.658 -3.048,57.658 -3.048,-2.54

## Keep-outs
Keep-Out Layer:
  lines w0.254: -3.048,-2.54 -3.048,57.658 93.472,57.658 93.472,-2.54 -3.048,-2.54

## Silkscreen, mask and mechanical layers (free items; w line width, h text height)
Top Overlay:
  text "GND" at 11.684,55.753 h1.5
  text "3.3V" at 14.732,55.753 h1.5
  text "DIO" at 71.247,55.753 h1.3
  text "CLK" at 74.422,55.753 h1.3
  text "3.3V" at 71.12,49.022 h1.3
  text "GND" at 74.17,49.022 h1.3
  text "负" at 6.985,38.227 h1.3 r90
  text "GND" at 64.264,36.08 h1.3
  text "正" at 6.985,32.766 h1.3 r90
  text "3.3V" at 39.878,25.908 h1.3
  text "7.2V" at 3.048,23.749 h1.3 r90
  text "3.3V" at 64.262,20.828 h1.3
  text "7.2V" at 64.262,18.161 h1.3
  text "1800801611戴泽宾" at 10.287,13.335 h2.5
  text "GND" at 87.249,10.668 h1.3 r90
  text "MM32_Class_Board_V2.0" at 10.541,10.541 h2.5
  text "GND" at 4.317,10.033 h1.3 r90
  text "B2" at 87.249,8.509 h1.3 r90
  text "B0" at 4.317,7.874 h1.3 r90
  text "3.3V" at 4.318,4.318 h1.3 r90
  text "3.3V" at 51.562,4.064 h1.3
  text "B1" at 55.118,4.065 h1.3
  text "GND" at 57.277,4.065 h1.3
  text "5V" at 38.989,3.947 h1.3
  text "A5" at 44.323,3.937 h1.3
  text "GND" at 46.355,3.937 h1.3
  text "3.3V" at 24.638,3.672 h1.3
  text "GND" at 27.828,3.673 h1.3
  text "D4" at 30.607,3.673 h1.3
  text "D5" at 33.274,3.683 h1.3
  text "3.3V" at 87.376,3.556 h1.3 r90
  text "5V" at 8.128,3.191 h1.3
  text "5V" at 17.352,3.191 h1.3
  text "GND" at 5.334,3.181 h1.3
  text "A1" at 10.795,3.181 h1.3
  text "A2" at 14.732,3.175 h1.3
  text "GND" at 19.558,3.181 h1.3
  text "2021/9/6" at 77.597,-1.905 h2.5